# Altium PCB EDA-04211-V4_0_pcb.pcbdoc (part 5 of 12)
Units mm, origin at the board's own origin, x right, y up, seen from the top; angles counter-clockwise.
Board outline 304.8 x 128.5 mm, 14 copper layers (Top Layer, L2, L3GND, L4, L5GND, L6, L7GND, L8, L9GND, L10, L11GND, L12, L13GND, Bottom Layer), stack 4.06 mm thick; 143 components, 1224 nets, 5334 pads, 591 vias.
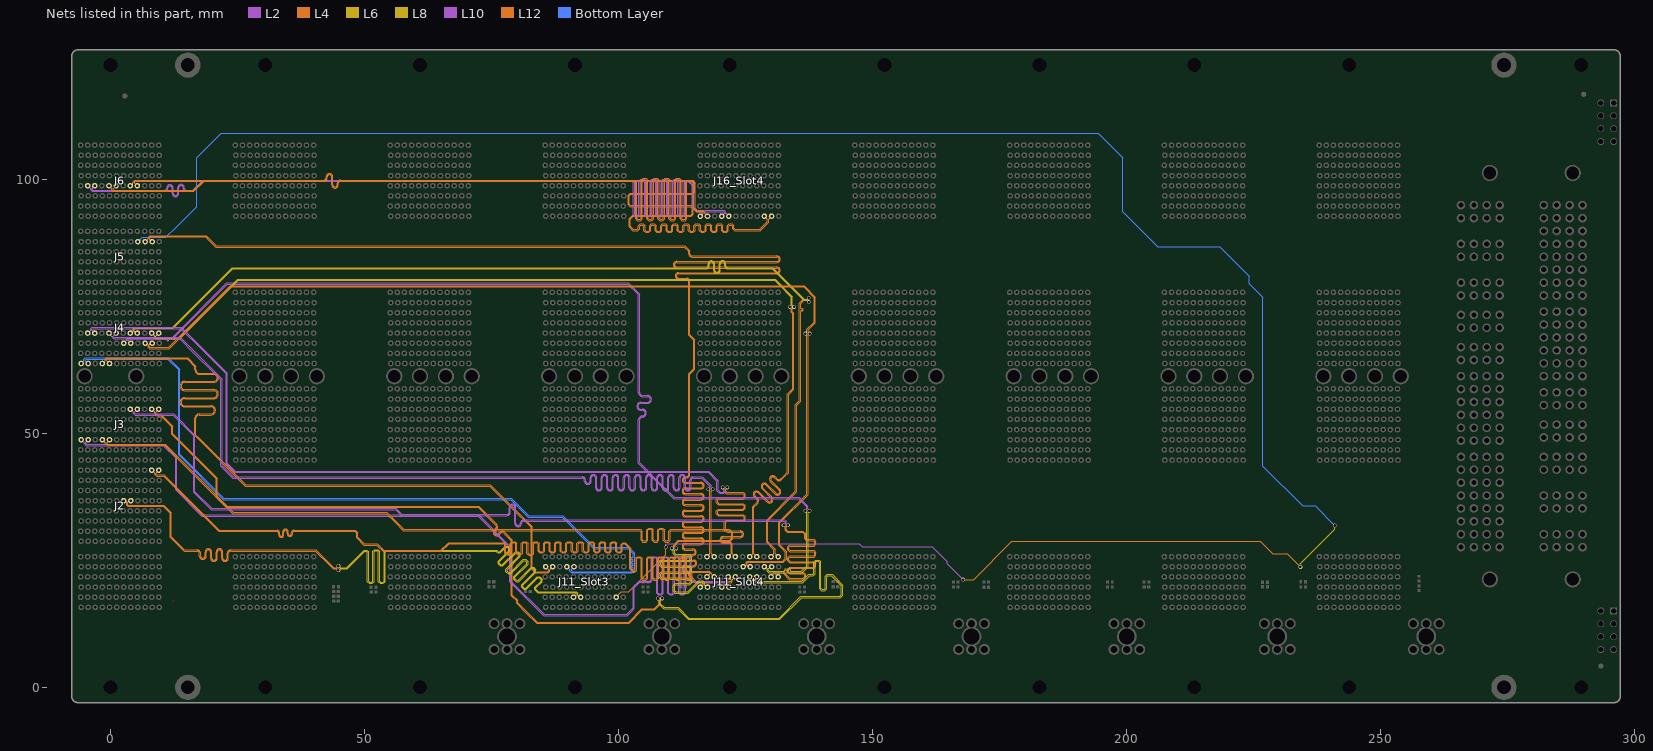
[diagram p17: the nets of this part, all layers, seen from the top]

## Via types
v1: diameter 0.75, hole 0.5, Top Layer to Bottom Layer, tented both sides, 549 vias
v2: diameter 0.85, hole 0.5, Top Layer to Bottom Layer, tented both sides, 32 vias
v3: diameter 1.3, hole 1, Top Layer to Bottom Layer, tented both sides, 10 vias

## Nets (pads, with @x,y where several pads share a name; then routed paths per layer and width w, separated by ;. In a path a pad name is that pad's centre, name@x,y a point inside that pad or via, vN(x,y) a via of type N, cw(c..) or ccw(c..) an arc to the next point about the centre after c; other vN are vias at no path point) (continued)
3_DIFF_15_N: J2.H5 J11_Slot3.F2 | length 171.3
  L12 w0.102: J2.H5@4.02,36.75 3.759,36.75 3.434,36.426 3.434,35.941 3.52,35.855 10.48,35.855 11.974,34.36 11.974,29.687 14.356,27.305 14.6,27.061 17.096,27.061 cw(c17.096,26.4) 17.757,26.4 17.757,25.851 ccw(c18.189,25.851) 18.189,25.419 ccw(c18.189,25.851) 18.621,25.851 18.621,26.615 cw(c19.282,26.615) 19.282,27.276 cw(c19.282,26.615) 19.943,26.615 19.943,25.459 ccw(c20.375,25.459) 20.375,25.027 ccw(c20.375,25.459) 20.807,25.459 20.807,26.615 cw(c21.468,26.615) 21.468,27.276 cw(c21.468,26.615) 22.129,26.615 22.129,25.459 ccw(c22.561,25.459) 22.561,25.027 ccw(c22.561,25.459) 22.993,25.459 22.993,26.4 cw(c23.654,26.4) 23.654,27.061 23.819,27.061 40.451,27.061 43.93,23.582 44.546,23.582 44.858,23.893 v1(44.876,23.893)
  L6 w0.102: v1(44.876,23.893) 44.916,23.893 45.227,23.582 46.548,23.582 47.795,24.829 49.969,27.002 50.464,27.002 50.814,26.652 50.814,20.907 51.03,20.691 51.462,20.691 51.678,20.907 51.678,26.747 52.028,27.097 52.65,27.097 53,26.747 53,20.907 53.216,20.691 53.648,20.691 53.864,20.907 53.864,26.661 54.214,27.011 54.427,27.011 76.028,27.011 76.251,26.788 76.334,26.704 76.64,26.704 77.707,27.771 78.202,27.771 78.641,27.331 78.641,26.836 76.549,24.744 76.549,24.438 76.854,24.133 77.16,24.133 79.747,26.72 80.242,26.72 80.682,26.28 80.682,25.785 78.095,23.198 78.095,22.892 78.4,22.587 78.706,22.587 81.293,25.174 81.788,25.174 82.228,24.735 82.228,24.239 79.64,21.652 79.64,21.347 79.946,21.041 80.251,21.041 82.839,23.628 83.334,23.628 83.773,23.189 83.773,22.694 81.186,20.106 81.186,19.801 81.492,19.495 81.797,19.495 84.061,21.76 84.556,21.76 84.996,21.32 84.996,20.825 83.758,19.586 83.758,19.281 84.168,18.871 84.232,18.807 91.682,18.807 91.974,18.514 91.974,18.074 92.299,17.75 J11_Slot3.F2@92.56,17.75
3_DIFF_15_P: J2.G5 J11_Slot3.E2 | length 171.3
  L12 w0.102: J2.G5@2.62,36.75 2.881,36.75 3.206,36.426 3.206,35.846 3.425,35.626 10.385,35.626 11.745,34.266 11.745,29.592 14.356,26.981 14.505,26.832 17.096,26.832 cw(c17.096,26.4) 17.528,26.4 17.528,25.851 ccw(c18.189,25.851) 18.189,25.19 ccw(c18.189,25.851) 18.85,25.851 18.85,26.615 cw(c19.282,26.615) 19.282,27.047 cw(c19.282,26.615) 19.714,26.615 19.714,25.459 ccw(c20.375,25.459) 20.375,24.798 ccw(c20.375,25.459) 21.036,25.459 21.036,26.615 cw(c21.468,26.615) 21.468,27.047 cw(c21.468,26.615) 21.9,26.615 21.9,25.459 ccw(c22.561,25.459) 22.561,24.798 ccw(c22.561,25.459) 23.222,25.459 23.222,26.4 cw(c23.654,26.4) 23.654,26.832 23.819,26.832 40.356,26.832 41.549,25.639 41.711,25.477 43.835,23.353 44.546,23.353 44.858,23.041 v1(44.876,23.041)
  L6 w0.102: v1(44.876,23.041) 44.916,23.041 45.227,23.353 46.643,23.353 47.795,24.505 50.063,26.773 50.369,26.773 50.585,26.557 50.585,20.812 50.935,20.462 51.557,20.462 51.907,20.812 51.907,26.652 52.123,26.868 52.555,26.868 52.771,26.652 52.771,20.812 53.121,20.462 53.743,20.462 54.093,20.812 54.093,26.566 54.309,26.782 54.427,26.782 75.933,26.782 76.089,26.626 76.24,26.475 76.735,26.475 77.801,27.542 78.107,27.542 78.412,27.236 78.412,26.931 76.32,24.838 76.32,24.343 76.76,23.904 77.255,23.904 79.842,26.491 80.147,26.491 80.453,26.185 80.453,25.88 77.866,23.293 77.866,22.798 78.305,22.358 78.801,22.358 81.388,24.945 81.693,24.945 81.999,24.64 81.999,24.334 79.411,21.747 79.411,21.252 79.851,20.812 80.346,20.812 82.933,23.399 83.239,23.399 83.544,23.094 83.544,22.788 80.957,20.201 80.957,19.706 81.397,19.266 81.892,19.266 84.156,21.531 84.461,21.531 84.767,21.225 84.767,20.92 83.529,19.681 83.529,19.186 84.006,18.709 84.137,18.578 91.587,18.578 91.746,18.419 91.746,18.074 91.421,17.75 J11_Slot3.E2@91.16,17.75
3_MGT_Rx_N: J4.E1 J11_Slot3.B5 | length 152.9
  L12 w0.102: J4.E1@-0.18,63.75 -0.765,64.335 -0.765,64.619 -0.706,64.679 15.082,64.679 16.606,63.155 16.606,62.698 16.606,62.532 ccw(c17.521,62.532) 17.521,61.617 20.352,61.617 cw(c20.352,60.931) 20.352,60.245 14.602,60.245 ccw(c14.602,59.33) 14.602,58.415 20.352,58.415 cw(c20.352,57.729) 20.352,57.043 14.602,57.043 ccw(c14.602,56.128) 14.602,55.213 19.795,55.213 cw(c19.795,54.527) 19.795,53.841 17.521,53.841 ccw(c17.521,52.926) 16.606,52.926 16.606,50.912 16.606,49.572 16.673,49.505 26.544,39.635 74.696,39.635 79.039,35.291 82.798,31.532 82.798,23.385 83.669,22.515 86.17,22.515 86.475,22.819 86.475,23.165 J11_Slot3.B5@87.06,23.75
3_MGT_Rx_P: J4.D1 J11_Slot3.A5 | length 152.9
  L12 w0.102: J4.D1@-1.58,63.75 -0.995,64.335 -0.995,64.714 -0.801,64.908 15.177,64.908 16.835,63.25 16.835,62.698 16.835,62.532 ccw(c17.521,62.532) 17.521,61.846 20.352,61.846 cw(c20.352,60.931) 20.352,60.016 14.602,60.016 ccw(c14.602,59.33) 14.602,58.644 20.352,58.644 cw(c20.352,57.729) 20.352,56.814 14.602,56.814 ccw(c14.602,56.128) 14.602,55.442 19.795,55.442 cw(c19.795,54.527) 19.795,53.612 17.521,53.612 ccw(c17.521,52.926) 16.835,52.926 16.835,50.912 16.835,49.667 17.251,49.252 26.639,39.864 74.791,39.864 79.039,35.615 83.027,31.627 83.027,23.48 83.17,23.337 83.764,22.744 86.075,22.744 86.245,22.914 86.245,23.165 J11_Slot3.A5@85.66,23.75
3_MGT_Tx_N: J4.B1 J11_Slot3.E5 | length 152.9
  Bottom Layer w0.15: J4.B1@-4.38,63.75 -4.954,64.324 -4.954,64.468 -4.805,64.617 11.296,64.617 13.407,62.507 13.407,49.995 13.407,45.78 22.221,36.966 25.928,36.966 75.941,36.966 78.787,36.966 82.237,33.516 88.943,33.516 95.143,27.316 101.95,27.316 102.941,26.325 102.941,26.211 102.941,25.732 cw(c102.739,25.732) 102.739,25.53 102.635,25.53 ccw(c102.635,25.328) 102.433,25.328 ccw(c102.635,25.328) 102.635,25.126 102.739,25.126 cw(c102.739,24.924) 102.941,24.924 cw(c102.739,24.924) 102.739,24.722 102.7,24.722 ccw(c102.7,24.52) 102.498,24.52 ccw(c102.7,24.52) 102.7,24.318 102.739,24.318 cw(c102.739,24.116) 102.941,24.116 cw(c102.739,24.116) 102.739,23.914 ccw(c102.739,23.712) 102.537,23.712 ccw(c102.739,23.712) 102.739,23.51 cw(c102.739,23.308) 102.941,23.308 102.941,23.125 102.616,22.8 102.611,22.794 90.901,22.794 90.686,23.01 90.686,23.176 J11_Slot3.E5@91.26,23.75
3_MGT_Tx_P: J4.A1 J11_Slot3.D5 | length 152.9
  Bottom Layer w0.15: J4.A1@-5.78,63.75 -5.206,64.324 -5.206,64.572 -4.909,64.869 11.401,64.869 13.659,62.611 13.659,50.099 13.659,45.884 22.325,37.218 75.941,37.218 78.891,37.218 82.342,33.767 89.047,33.767 95.247,27.567 102.054,27.567 103.192,26.429 103.192,23.02 102.715,22.543 90.797,22.543 90.434,22.906 90.434,23.176 J11_Slot3.D5@89.86,23.75
3_SERVMOD: J5.I5 J11_Slot3.K2 | length 468.1
  L8 w0.102: v1(234.259,23.709) 234.259,24.344 241.015,31.1 v1(241.015,31.862)
  L10 w0.102: v1(109.367,27.57) 109.367,28.179 109.494,28.306 147.413,28.306 148.026,27.694 161.745,27.694 164.756,24.682 164.756,24.354 v1(167.892,21.218)
  L12 w0.102: J11_Slot3.K2@99.56,17.75 100.588,18.778 102.049,18.778 109.367,26.096 v1(109.367,27.57) ; v1(167.892,21.218) 169.947,21.218 177.464,28.735 226.385,28.735 228.82,26.3 231.668,26.3 v1(234.259,23.709)
  Bottom Layer w0.102: J5.I5@5.42,87.75 6.248,88.578 10.939,88.578 13.114,90.752 ; 13.115,90.751 17.02,94.656 17.02,104.25 21.82,109.05 194.459,109.05 199.253,104.256 199.253,93.624 206.127,86.75 217.763,86.75 218.35,86.75 224.153,80.947 224.153,79.417 226.815,76.755 226.815,43.573 234.665,35.723 237.154,35.723 v1(241.015,31.862)
4_CLK_N: J5.K5 J11_Slot4.F4 | length 318
  L12 w0.102: J5.K5@8.22,87.75 7.635,88.335 7.635,88.432 7.856,88.654 18.768,88.654 19.197,88.225 20.746,86.675 112.999,86.675 113.837,85.837 113.837,85.532 113.837,85.367 ccw(c114.498,85.367) 114.498,84.706 131.208,84.706 cw(c131.208,84.274) 131.64,84.274 cw(c131.208,84.274) 131.208,83.842 111.467,83.842 ccw(c111.467,83.181) 110.806,83.181 ccw(c111.467,83.181) 111.467,82.52 131.208,82.52 cw(c131.208,82.088) 131.64,82.088 cw(c131.208,82.088) 131.208,81.656 111.854,81.656 ccw(c111.854,80.995) 111.193,80.995 ccw(c111.854,80.995) 111.854,80.334 113.405,80.334 cw(c113.405,79.902) 113.837,79.902 113.837,78.217 113.837,69.283 114.82,68.3 114.82,62.674 113.837,61.691 113.837,43.394 113.837,41.897 cw(c113.405,41.897) 113.405,41.465 113.238,41.465 ccw(c113.238,40.804) 112.577,40.804 ccw(c113.238,40.804) 113.238,40.143 116.225,40.143 cw(c116.225,39.711) 116.657,39.711 cw(c116.225,39.711) 116.225,39.279 113.179,39.279 ccw(c113.179,38.618) 112.518,38.618 ccw(c113.179,38.618) 113.179,37.957 116.225,37.957 cw(c116.225,37.525) 116.657,37.525 cw(c116.225,37.525) 116.225,37.093 113.179,37.093 ccw(c113.179,36.432) 112.518,36.432 ccw(c113.179,36.432) 113.179,35.771 116.225,35.771 cw(c116.225,35.339) 116.657,35.339 cw(c116.225,35.339) 116.225,34.907 113.179,34.907 ccw(c113.179,34.246) 112.518,34.246 ccw(c113.179,34.246) 113.179,33.585 116.225,33.585 cw(c116.225,33.153) 116.657,33.153 cw(c116.225,33.153) 116.225,32.721 113.179,32.721 ccw(c113.179,32.06) 112.518,32.06 ccw(c113.179,32.06) 113.179,31.399 116.225,31.399 cw(c116.225,30.967) 116.657,30.967 cw(c116.225,30.967) 116.225,30.535 113.179,30.535 ccw(c113.179,29.874) 112.518,29.874 ccw(c113.179,29.874) 113.179,29.213 116.225,29.213 cw(c116.225,28.781) 116.657,28.781 cw(c116.225,28.781) 116.225,28.349 113.179,28.349 ccw(c113.179,27.688) 112.518,27.688 ccw(c113.179,27.688) 113.179,27.027 114.676,27.027 cw(c114.676,26.595) 115.108,26.595 cw(c114.676,26.595) 114.676,26.163 113.179,26.163 ccw(c113.179,25.502) 112.518,25.502 ccw(c113.179,25.502) 113.179,24.841 114.776,24.841 cw(c114.776,24.409) 115.208,24.409 cw(c114.776,24.409) 114.776,23.977 113.179,23.977 ccw(c113.179,23.316) 112.518,23.316 ccw(c113.179,23.316) 113.179,22.655 113.405,22.655 cw(c113.405,22.223) 113.837,22.223 113.837,22.058 113.837,21.963 115.167,20.633 122.182,20.633 122.454,20.906 122.454,21.164 J11_Slot4.F4@123.04,21.75
4_CLK_P: J5.J5 J11_Slot4.E4 | length 318
  L12 w0.102: J5.J5@6.82,87.75 7.405,88.336 7.405,88.527 7.762,88.883 18.862,88.883 19.521,88.225 20.841,86.904 113.094,86.904 114.066,85.932 114.066,85.532 114.066,85.367 ccw(c114.498,85.367) 114.498,84.935 131.208,84.935 cw(c131.208,84.274) 131.869,84.274 cw(c131.208,84.274) 131.208,83.613 111.467,83.613 ccw(c111.467,83.181) 111.035,83.181 ccw(c111.467,83.181) 111.467,82.749 131.208,82.749 cw(c131.208,82.088) 131.869,82.088 cw(c131.208,82.088) 131.208,81.427 111.854,81.427 ccw(c111.854,80.995) 111.422,80.995 ccw(c111.854,80.995) 111.854,80.563 113.405,80.563 cw(c113.405,79.902) 114.066,79.902 114.066,78.217 114.066,69.378 115.049,68.395 115.049,62.579 114.066,61.596 114.066,43.394 114.066,41.897 cw(c113.405,41.897) 113.405,41.236 113.238,41.236 ccw(c113.238,40.804) 112.806,40.804 ccw(c113.238,40.804) 113.238,40.372 116.225,40.372 cw(c116.225,39.711) 116.886,39.711 cw(c116.225,39.711) 116.225,39.05 113.179,39.05 ccw(c113.179,38.618) 112.747,38.618 ccw(c113.179,38.618) 113.179,38.186 116.225,38.186 cw(c116.225,37.525) 116.886,37.525 cw(c116.225,37.525) 116.225,36.864 113.179,36.864 ccw(c113.179,36.432) 112.747,36.432 ccw(c113.179,36.432) 113.179,36 116.225,36 cw(c116.225,35.339) 116.886,35.339 cw(c116.225,35.339) 116.225,34.678 113.179,34.678 ccw(c113.179,34.246) 112.747,34.246 ccw(c113.179,34.246) 113.179,33.814 116.225,33.814 cw(c116.225,33.153) 116.886,33.153 cw(c116.225,33.153) 116.225,32.492 113.179,32.492 ccw(c113.179,32.06) 112.747,32.06 ccw(c113.179,32.06) 113.179,31.628 116.225,31.628 cw(c116.225,30.967) 116.886,30.967 cw(c116.225,30.967) 116.225,30.306 113.179,30.306 ccw(c113.179,29.874) 112.747,29.874 ccw(c113.179,29.874) 113.179,29.442 116.225,29.442 cw(c116.225,28.781) 116.886,28.781 cw(c116.225,28.781) 116.225,28.12 113.179,28.12 ccw(c113.179,27.688) 112.747,27.688 ccw(c113.179,27.688) 113.179,27.256 114.676,27.256 cw(c114.676,26.595) 115.337,26.595 cw(c114.676,26.595) 114.676,25.934 113.179,25.934 ccw(c113.179,25.502) 112.747,25.502 ccw(c113.179,25.502) 113.179,25.07 114.776,25.07 cw(c114.776,24.409) 115.437,24.409 cw(c114.776,24.409) 114.776,23.748 113.179,23.748 ccw(c113.179,23.316) 112.747,23.316 ccw(c113.179,23.316) 113.179,22.884 113.405,22.884 cw(c113.405,22.223) 114.066,22.223 114.066,22.058 115.262,20.862 122.087,20.862 122.226,21.001 122.226,21.164 J11_Slot4.E4@121.64,21.75
4_DIFF_0_N: J3.B3 J11_Slot4.E3 | length 205.6
  L10 w0.102: J3.B3@-4.38,48.75 -4.965,48.165 -4.965,48.107 -4.682,47.824 7.284,47.824 10.519,47.823 13.05,45.292 13.05,42.032 13.05,39 15.514,36.536 18.096,33.954 72.477,33.954 78.263,28.168 78.39,28.041 78.829,27.602 78.829,20.891 85.374,14.346 101.623,14.346 102.911,15.634 102.911,19.745 103.055,19.889 104.091,20.925 106.107,20.925 106.226,20.925 106.442,21.141 106.442,25.38 106.792,25.73 107.413,25.73 107.764,25.38 107.764,18.665 107.98,18.449 108.412,18.449 108.628,18.665 108.628,25.38 108.978,25.73 109.599,25.73 109.95,25.38 109.95,18.665 110.166,18.449 110.598,18.449 110.814,18.665 110.814,25.38 111.164,25.73 111.785,25.73 112.136,25.38 112.136,18.665 112.352,18.449 112.784,18.449 113,18.665 113,25.38 113.35,25.73 113.971,25.73 114.322,25.38 114.322,21.141 114.537,20.925 114.9,20.925 120.743,20.925 121.154,20.513 121.154,20.335 J11_Slot4.E3@121.74,19.75
4_DIFF_0_P: J3.A3 J11_Slot4.D3 | length 205.6
  L10 w0.102: J3.A3@-5.78,48.75 -5.195,48.165 -5.195,48.012 -4.777,47.594 10.424,47.594 12.821,45.198 12.821,42.126 12.821,38.905 15.19,36.536 15.352,36.374 18.001,33.725 72.382,33.725 78.034,28.073 78.228,27.879 78.6,27.507 78.6,20.796 85.279,14.117 101.718,14.117 102.71,15.11 103.14,15.539 103.14,19.65 104.186,20.696 104.838,20.696 106.107,20.696 106.32,20.696 106.671,21.046 106.671,25.285 106.887,25.501 107.319,25.501 107.535,25.285 107.535,18.571 107.885,18.22 108.506,18.22 108.857,18.571 108.857,25.285 109.073,25.501 109.505,25.501 109.721,25.285 109.721,18.571 110.071,18.22 110.692,18.22 111.043,18.571 111.043,25.285 111.259,25.501 111.691,25.501 111.907,25.285 111.907,18.571 112.257,18.22 112.878,18.22 113.229,18.571 113.229,25.285 113.445,25.501 113.877,25.501 114.092,25.285 114.092,21.046 114.443,20.696 114.9,20.696 120.648,20.696 120.926,20.418 120.926,20.335 J11_Slot4.D3@120.34,19.75
4_DIFF_1_N: J3.E3 J11_Slot4.B3 | length 203.4
  L4 w0.102: J3.E3@-0.18,48.75 -0.766,48.165 -0.766,48.072 -0.542,47.849 9.545,47.849 10.799,47.849 24.194,34.453 54.417,34.453 56.174,32.696 57.769,31.101 103.836,31.101 104.359,31.101 104.709,30.75 104.709,29.051 104.925,28.835 105.357,28.835 105.573,29.051 105.573,31.007 105.923,31.358 106.545,31.358 106.895,31.007 106.895,29.051 107.111,28.835 107.543,28.835 107.759,29.051 107.759,31.007 108.109,31.358 108.731,31.358 109.081,31.007 109.081,29.051 109.297,28.835 109.729,28.835 109.945,29.051 109.945,30.75 110.295,31.101 110.508,31.101 121.813,31.101 122.5,30.414 122.5,29.227 121.994,28.721 111.888,28.721 111.078,27.911 111.078,27.692 111.39,27.38 v1(111.39,27.341)
  L8 w0.12: v1(111.39,27.341) 111.39,27.247 111.099,26.956 111.099,26.567 111.099,26.428 111.319,26.208 114.022,26.208 114.401,25.829 114.401,25.165 114.022,24.786 108.552,24.786 108.331,24.566 108.331,24.125 108.552,23.904 114.022,23.904 114.401,23.526 114.401,22.861 114.022,22.482 108.552,22.482 108.331,22.262 108.331,21.821 108.552,21.6 114.022,21.6 114.401,21.222 114.401,20.557 114.022,20.179 111.319,20.179 111.099,19.958 111.099,19.65 111.099,19.04 111.325,18.813 113.654,18.813 115.806,20.965 116.556,20.965 116.975,20.546 116.975,20.118 117.343,19.75 J11_Slot4.B3@117.54,19.75
4_DIFF_1_P: J3.D3 J11_Slot4.A3 | length 203.4
  L4 w0.102: J3.D3@-1.58,48.75 -0.994,48.165 -0.994,47.977 -0.637,47.62 10.704,47.62 11.348,46.975 11.51,46.813 24.1,34.224 54.322,34.224 55.945,32.601 57.675,30.872 103.836,30.872 104.264,30.872 104.48,30.656 104.48,28.956 104.83,28.606 105.452,28.606 105.802,28.956 105.802,30.913 106.018,31.129 106.45,31.129 106.666,30.913 106.666,28.956 107.016,28.606 107.638,28.606 107.988,28.956 107.988,30.913 108.204,31.129 108.636,31.129 108.852,30.913 108.852,28.956 109.202,28.606 109.824,28.606 110.174,28.956 110.174,30.656 110.39,30.872 110.508,30.872 121.718,30.872 122.271,30.319 122.271,29.322 121.899,28.95 111.793,28.95 110.849,28.006 110.849,27.692 110.538,27.38 v1(110.538,27.341)
  L8 w0.12: v1(110.538,27.341) 110.538,27.247 110.829,26.956 110.829,26.567 110.829,26.316 111.207,25.938 113.91,25.938 114.131,25.717 114.131,25.276 113.91,25.056 108.44,25.056 108.061,24.677 108.061,24.013 108.44,23.634 113.91,23.634 114.131,23.414 114.131,22.973 113.91,22.752 108.44,22.752 108.061,22.374 108.061,21.709 108.44,21.331 113.91,21.331 114.131,21.11 114.131,20.669 113.91,20.449 111.207,20.449 110.829,20.07 110.829,19.65 110.829,18.928 111.213,18.543 113.766,18.543 115.918,20.695 116.445,20.695 116.705,20.435 116.705,20.118 116.337,19.75 J11_Slot4.A3@116.14,19.75
4_DIFF_2_N: J2.L8 J11_Slot4.C4 | length 205.5
  L4 w0.102: J2.L8@9.52,42.75 8.935,42.165 8.935,42.081 9.186,41.829 10.551,41.829 10.828,41.552 21.458,30.922 31.793,30.922 32.797,30.922 cw(c32.797,30.388) 33.331,30.388 33.331,30.056 ccw(c33.636,30.056) 33.636,29.751 ccw(c33.636,30.056) 33.941,30.056 33.941,30.632 cw(c34.475,30.632) 34.475,31.166 cw(c34.475,30.632) 35.009,30.632 35.009,30.254 ccw(c35.314,30.254) 35.314,29.949 ccw(c35.314,30.254) 35.619,30.254 35.619,30.388 cw(c36.153,30.388) 36.153,30.922 39.378,30.922 48.229,30.922 48.687,30.465 48.687,29.519 49.955,28.25 52.564,28.25 53.828,26.985 65.044,26.985 66.568,28.509 76.155,28.509 77.499,28.509 77.849,28.159 77.849,26.524 78.065,26.308 78.497,26.308 78.713,26.524 78.713,28.322 79.063,28.672 79.685,28.672 80.035,28.322 80.035,26.524 80.251,26.308 80.683,26.308 80.899,26.524 80.899,28.322 81.249,28.672 81.871,28.672 82.221,28.322 82.221,26.439 82.437,26.223 82.869,26.223 83.085,26.439 83.085,28.322 83.435,28.672 84.057,28.672 84.407,28.322 84.407,26.898 84.623,26.682 85.055,26.682 85.271,26.898 85.271,28.322 85.621,28.672 86.243,28.672 86.593,28.322 86.593,26.898 86.809,26.682 87.241,26.682 87.457,26.898 87.457,28.322 87.807,28.672 88.429,28.672 88.779,28.322 88.779,26.898 88.995,26.682 89.427,26.682 89.643,26.898 89.643,28.322 89.993,28.672 90.615,28.672 90.965,28.322 90.965,26.898 91.181,26.682 91.613,26.682 91.829,26.898 91.829,28.322 92.179,28.672 92.801,28.672 93.151,28.322 93.151,26.898 93.367,26.682 93.799,26.682 94.015,26.898 94.015,28.322 94.365,28.672 94.987,28.672 95.337,28.322 95.337,26.898 95.553,26.682 95.985,26.682 96.201,26.898 96.201,28.322 96.551,28.672 97.173,28.672 97.523,28.322 97.523,26.898 97.739,26.682 98.171,26.682 98.387,26.898 98.387,28.322 98.737,28.672 99.359,28.672 99.709,28.322 99.709,26.898 99.925,26.682 100.357,26.682 100.573,26.898 100.573,28.159 100.923,28.509 101.136,28.509 101.36,28.509 102.458,27.411 102.458,23.432 103.022,22.868 103.025,22.864 103.14,22.864 103.356,23.08 103.356,25.371 103.706,25.721 104.328,25.721 104.678,25.371 104.678,21.561 104.894,21.345 105.326,21.345 105.542,21.561 105.542,25.371 105.892,25.721 106.514,25.721 106.864,25.371 106.864,21.561 107.08,21.345 107.512,21.345 107.728,21.561 107.728,25.371 108.078,25.721 108.7,25.721 109.05,25.371 109.05,21.561 109.266,21.345 109.698,21.345 109.914,21.561 109.914,25.371 110.264,25.721 110.886,25.721 111.236,25.371 111.236,21.561 111.452,21.345 111.884,21.345 112.1,21.561 112.1,25.371 112.45,25.721 113.072,25.721 113.422,25.371 113.422,21.561 113.638,21.345 114.07,21.345 114.286,21.561 114.286,22.514 114.636,22.864 114.81,22.864 115.023,22.865 115.39,22.865 117.887,22.864 118.255,22.497 118.255,22.336 J11_Slot4.C4@118.84,21.75
4_DIFF_2_P: J2.K8 J11_Slot4.B4 | length 205.5
  L4 w0.102: J2.K8@8.12,42.75 8.705,42.165 8.705,41.986 9.091,41.6 10.456,41.6 21.363,30.693 31.793,30.693 32.797,30.693 cw(c32.797,30.388) 33.102,30.388 33.102,30.056 ccw(c33.636,30.056) 33.636,29.522 ccw(c33.636,30.056) 34.17,30.056 34.17,30.632 cw(c34.475,30.632) 34.475,30.937 cw(c34.475,30.632) 34.78,30.632 34.78,30.254 ccw(c35.314,30.254) 35.314,29.72 ccw(c35.314,30.254) 35.848,30.254 35.848,30.388 cw(c36.153,30.388) 36.153,30.693 39.378,30.693 48.134,30.693 48.458,30.37 48.458,29.424 49.861,28.021 52.469,28.021 53.734,26.756 65.139,26.756 66.663,28.28 76.155,28.28 77.404,28.28 77.62,28.064 77.62,26.429 77.97,26.079 78.592,26.079 78.942,26.429 78.942,28.227 79.158,28.443 79.59,28.443 79.806,28.227 79.806,26.429 80.156,26.079 80.778,26.079 81.128,26.429 81.128,28.227 81.344,28.443 81.776,28.443 81.992,28.227 81.992,26.345 82.342,25.994 82.964,25.994 83.314,26.345 83.314,28.227 83.53,28.443 83.962,28.443 84.178,28.227 84.178,26.803 84.528,26.453 85.15,26.453 85.5,26.803 85.5,28.227 85.716,28.443 86.148,28.443 86.364,28.227 86.364,26.803 86.714,26.453 87.336,26.453 87.686,26.803 87.686,28.227 87.902,28.443 88.334,28.443 88.55,28.227 88.55,26.803 88.9,26.453 89.522,26.453 89.872,26.803 89.872,28.227 90.088,28.443 90.52,28.443 90.736,28.227 90.736,26.803 91.086,26.453 91.708,26.453 92.058,26.803 92.058,28.227 92.274,28.443 92.706,28.443 92.922,28.227 92.922,26.803 93.272,26.453 93.894,26.453 94.244,26.803 94.244,28.227 94.46,28.443 94.892,28.443 95.108,28.227 95.108,26.803 95.458,26.453 96.08,26.453 96.43,26.803 96.43,28.227 96.646,28.443 97.078,28.443 97.294,28.227 97.294,26.803 97.644,26.453 98.266,26.453 98.616,26.803 98.616,28.227 98.832,28.443 99.264,28.443 99.48,28.227 99.48,26.803 99.83,26.453 100.452,26.453 100.802,26.803 100.802,28.064 101.018,28.28 101.136,28.28 101.265,28.28 102.229,27.316 102.229,23.337 102.931,22.635 103.022,22.635 103.235,22.635 103.585,22.986 103.585,25.276 103.801,25.492 104.233,25.492 104.449,25.276 104.449,21.466 104.799,21.116 105.421,21.116 105.771,21.466 105.771,25.276 105.987,25.492 106.419,25.492 106.635,25.276 106.635,21.466 106.985,21.116 107.607,21.116 107.957,21.466 107.957,25.276 108.173,25.492 108.605,25.492 108.821,25.276 108.821,21.466 109.171,21.116 109.793,21.116 110.143,21.466 110.143,25.276 110.359,25.492 110.791,25.492 111.007,25.276 111.007,21.466 111.357,21.116 111.979,21.116 112.329,21.466 112.329,25.276 112.545,25.492 112.977,25.492 113.193,25.276 113.193,21.466 113.543,21.116 114.165,21.116 114.515,21.466 114.515,22.42 114.731,22.636 114.81,22.636 115.023,22.635 117.793,22.635 118.017,22.411 118.017,22.327 J11_Slot4.B4@117.44,21.75
4_DIFF_3_N: J3.I6 J11_Slot4.L4 | length 202.1
  L2 w0.102: J3.I6@5.32,54.75 4.734,54.164 4.734,54.053 4.944,53.843 9.418,53.843 12.424,53.843 16.632,49.636 16.632,38.536 19.936,35.231 56.214,35.231 57.389,34.056 77.161,34.056 78.08,34.056 ccw(c78.08,34.488) 78.512,34.488 78.512,35.41 cw(c79.173,35.41) 79.173,36.071 cw(c79.173,35.41) 79.834,35.41 79.834,32.276 ccw(c80.266,32.276) 80.266,31.844 ccw(c80.266,32.276) 80.698,32.276 80.698,32.31 cw(c81.359,32.31) 81.359,32.971 81.525,32.971 132.789,32.971 132.893,32.866 133.036,32.723 133.036,32.253 133.36,31.929 v1(133.36,31.915)
  L12 w0.102: J11_Slot4.L4@131.44,21.75 130.855,22.335 130.855,22.451 131.004,22.601 132.147,22.601 132.232,22.601 132.405,22.428 133.612,21.221 136.435,21.221 136.869,21.655 136.869,22.018 136.869,22.23 136.519,22.581 133.783,22.581 133.567,22.797 133.567,23.229 133.783,23.445 138.532,23.445 138.882,23.795 138.882,24.416 138.532,24.767 133.79,24.767 133.574,24.983 133.574,25.415 133.79,25.631 138.532,25.631 138.882,25.981 138.882,26.602 138.532,26.953 133.783,26.953 133.567,27.169 133.567,27.601 133.783,27.817 138.532,27.817 138.882,28.167 138.882,28.788 138.532,29.139 137.085,29.139 136.869,29.355 136.869,29.711 136.869,30.245 136.335,30.779 133.315,30.779 133.036,31.057 133.036,31.576 133.36,31.9 v1(133.36,31.915)
4_DIFF_3_P: J3.H6 J11_Slot4.K4 | length 202.1
  L2 w0.102: J3.H6@3.92,54.75 4.506,54.164 4.506,53.958 4.849,53.614 12.329,53.614 16.403,49.541 16.403,38.441 19.842,35.002 56.119,35.002 56.281,34.84 57.294,33.827 77.161,33.827 78.08,33.827 ccw(c78.08,34.488) 78.741,34.488 78.741,35.41 cw(c79.173,35.41) 79.173,35.842 cw(c79.173,35.41) 79.605,35.41 79.605,32.276 ccw(c80.266,32.276) 80.266,31.615 ccw(c80.266,32.276) 80.927,32.276 80.927,32.31 cw(c81.359,32.31) 81.359,32.742 81.525,32.742 132.694,32.742 132.807,32.628 132.807,32.253 132.483,31.929 v1@132.483,31.915
  L12 w0.102: J11_Slot4.K4@130.04,21.75 130.625,22.336 130.625,22.546 130.91,22.83 132.327,22.83 132.634,22.523 133.707,21.45 136.34,21.45 136.64,21.75 136.64,22.018 136.64,22.136 136.424,22.352 133.688,22.352 133.338,22.702 133.338,23.323 133.688,23.674 138.437,23.674 138.653,23.89 138.653,24.322 138.437,24.538 133.696,24.538 133.345,24.888 133.345,25.509 133.696,25.86 138.437,25.86 138.653,26.076 138.653,26.508 138.437,26.724 133.688,26.724 133.338,27.074 133.338,27.695 133.688,28.046 138.437,28.046 138.653,28.262 138.653,28.694 138.437,28.91 136.99,28.91 136.64,29.26 136.64,29.711 136.64,30.15 136.24,30.55 133.22,30.55 132.807,30.963 132.807,31.576 132.483,31.9 v1@132.483,31.915
  other v1: 132.509,31.899
4_DIFF_4_N: J3.L6 J11_Slot4.I4 | length 204.8
  L8 w0.12: v1@107.709,17.511 107.709,17.433 108.013,17.129 108.013,16.35 108.909,15.454 111.703,15.454 113.776,13.381 131.751,13.381 136.05,17.68 139.048,17.68 139.055,17.687 140.793,17.687 140.8,17.68 143.65,17.68 144.131,18.162 144.131,20.146 142.057,22.22 141.379,22.22 141.129,22.22 140.75,21.841 140.75,19.546 140.53,19.326 140.089,19.326 139.868,19.546 139.868,24.685 139.49,25.064 138.825,25.064 138.446,24.685 138.446,22.44 138.226,22.22 137.959,22.22 137.51,22.22 136.13,20.84 129.663,20.84 129.615,20.888 126.767,20.888 126.675,20.98 126.675,21.382 127.043,21.75 J11_Slot4.I4@127.24,21.75
  L12 w0.102: J3.L6@9.52,54.75 8.935,54.165 8.935,53.993 9.246,53.682 10.006,53.682 12.302,51.386 12.302,49.899 21.041,41.159 21.041,37.486 22.88,35.647 72.486,35.647 75.037,33.096 76.042,32.091 ; 76.043,32.09 76.075,32.058 76.075,32.055 cw(c75.575,31.624) 76.042,31.156 75.722,30.836 ccw(c76.027,30.531) 75.722,30.225 ccw(c76.027,30.531) 76.333,30.225 76.653,30.545 cw(c77.12,30.078) 77.588,30.545 77.705,30.428 79.141,28.992 79.141,23.467 79.141,18.171 80.208,17.104 80.208,16.644 81.804,15.047 84.037,12.815 101.993,12.815 104.643,15.465 107.082,15.465 108.033,16.416 108.033,17.187 v1@107.709,17.511
  other v1: 107.734,17.496
4_DIFF_4_P: J3.K6 J11_Slot4.H4 | length 204.6
  L8 w0.12: v1(108.586,17.511) 108.586,17.433 108.283,17.129 108.283,16.462 109.021,15.724 111.815,15.724 113.888,13.65 131.639,13.65 135.938,17.95 138.936,17.95 138.943,17.957 140.905,17.957 140.912,17.95 143.538,17.95 143.861,18.273 143.861,20.034 141.946,21.95 141.379,21.95 141.24,21.95 141.02,21.73 141.02,19.434 140.641,19.056 139.977,19.056 139.598,19.434 139.598,24.573 139.378,24.794 138.937,24.794 138.716,24.573 138.716,22.329 138.338,21.95 137.959,21.95 137.622,21.95 136.242,20.57 129.551,20.57 129.504,20.618 126.655,20.618 126.405,20.868 126.405,21.382 126.037,21.75 J11_Slot4.H4@125.84,21.75
  L12 w0.102: J3.K6@8.12,54.75 8.706,54.164 8.706,53.898 9.151,53.453 9.911,53.453 12.073,51.292 12.073,49.804 20.812,41.064 20.812,37.391 22.785,35.418 72.391,35.418 74.875,32.934 75.879,31.93 ; 75.88,31.93 cw(c75.575,31.624) 75.88,31.318 75.56,30.998 ccw(c76.027,30.531) 75.56,30.063 ccw(c76.027,30.531) 76.495,30.063 76.815,30.383 cw(c77.12,30.078) 77.426,30.383 77.543,30.266 78.912,28.897 78.912,23.562 78.912,18.076 79.979,17.01 79.979,16.549 81.71,14.818 83.943,12.585 102.087,12.585 104.737,15.235 107.177,15.235 108.262,16.321 108.262,17.187 v1(108.586,17.511)
4_DIFF_5_N: J4.H3 J11_Slot4.K5 | length 205.1
  L8 w0.12: J11_Slot4.K5@130.14,23.75 129.943,23.75 129.535,23.342 129.535,23.007 129.696,22.845 132.163,22.845 132.524,22.845 ccw(c132.524,23.032) 132.71,23.052 cw(c132.896,23.072) 132.877,23.257 cw(c132.896,23.072) 133.082,23.091 133.089,23.031 ccw(c133.275,23.051) 133.294,22.865 ccw(c133.275,23.051) 133.461,23.07 133.451,23.157 cw(c133.637,23.177) 133.618,23.363 cw(c133.637,23.177) 133.823,23.196 133.843,23.013 ccw(c134.029,23.032) 134.029,22.845 134.579,22.845 136.037,22.845 137.057,23.865 137.057,34.398 136.766,34.689 v1(136.766,34.783)
  L10 w0.102: J4.H3@4.02,67.75 3.434,68.335 3.434,68.462 3.598,68.626 10.129,68.626 10.52,68.626 10.927,68.626 cw(c10.927,68.448) 11.105,68.448 ccw(c11.283,68.448) 11.283,68.27 ccw(c11.283,68.448) 11.461,68.448 cw(c11.639,68.448) 11.639,68.626 12.033,68.626 12.273,68.626 23.032,79.386 101.884,79.386 103.933,77.337 103.933,58.197 103.933,58.031 ccw(c104.721,58.031) 104.721,57.243 105.733,57.243 cw(c105.733,56.684) 106.292,56.684 cw(c105.733,56.684) 105.733,56.125 104.405,56.125 ccw(c104.405,55.337) 103.617,55.337 ccw(c104.405,55.337) 104.405,54.549 104.721,54.549 cw(c104.721,53.99) 105.28,53.99 cw(c104.721,53.99) 104.721,53.431 ccw(c104.721,52.643) 103.933,52.643 103.933,47.459 103.933,44.113 109.058,38.988 110.896,37.15 135.52,37.15 136.52,36.15 137.077,35.593 137.077,35.134 136.766,34.822 v1(136.766,34.783)
4_DIFF_5_P: J4.G3 J11_Slot4.J5 | length 205.1
  L8 w0.12: J11_Slot4.J5@128.74,23.75 128.857,23.75 129.265,23.342 129.265,22.895 129.584,22.575 136.149,22.575 137.326,23.753 137.326,34.398 137.618,34.689 v1(137.618,34.783)
  L10 w0.102: J4.G3@2.62,67.75 3.206,68.335 3.206,68.557 3.503,68.855 12.178,68.855 22.938,79.615 101.979,79.615 104.162,77.432 104.162,58.197 104.162,58.031 ccw(c104.721,58.031) 104.721,57.472 105.733,57.472 cw(c105.733,56.684) 106.521,56.684 cw(c105.733,56.684) 105.733,55.896 104.405,55.896 ccw(c104.405,55.337) 103.846,55.337 ccw(c104.405,55.337) 104.405,54.778 104.721,54.778 cw(c104.721,53.99) 105.509,53.99 cw(c104.721,53.99) 104.721,53.202 ccw(c104.721,52.643) 104.162,52.643 104.162,47.459 104.162,44.208 109.058,39.312 109.22,39.15 110.991,37.379 135.615,37.379 136.52,36.474 137.306,35.688 137.306,35.134 137.618,34.822 v1(137.618,34.783)
4_DIFF_6_N: J4.K3 J11_Slot4.H5 | length 202.7
  L4 w0.102: J4.K3@8.22,67.75 7.959,67.75 7.634,67.426 7.634,67.043 7.672,67.005 7.763,66.914 11.492,66.914 23.618,79.041 136.577,79.041 138.781,76.837 138.781,71.787 137.349,70.355 137.349,70.001 137.66,69.689 v1(137.66,69.65)
  L12 w0.102: J11_Slot4.H5@125.94,23.75 125.679,23.75 125.355,24.074 125.355,24.495 125.483,24.623 132.449,24.623 133.116,25.29 133.116,26.725 132.338,27.503 131.762,28.079 131.762,32.362 137.349,37.949 137.349,69.35 137.649,69.65 v1(137.66,69.65)
4_DIFF_6_P: J4.J3 J11_Slot4.G5 | length 202.7
  L4 w0.102: J4.J3@6.82,67.75 7.081,67.75 7.405,67.426 7.405,66.948 7.51,66.844 7.668,66.685 11.587,66.685 23.713,78.812 136.482,78.812 138.552,76.742 138.552,71.882 137.12,70.45 137.12,70.001 136.808,69.689 v1(136.808,69.65)
  L12 w0.102: J11_Slot4.G5@124.54,23.75 124.801,23.75 125.126,24.074 125.126,24.59 125.388,24.852 132.354,24.852 132.887,25.385 132.887,26.63 132.176,27.341 132.014,27.503 131.533,27.985 131.533,32.457 137.12,38.044 137.12,69.35 136.82,69.65 v1(136.808,69.65)
4_DIFF_7_N: J4.C4 J11_Slot4.F6 | length 202.1
  L2 w0.102: J4.C4@-3.08,69.75 -3.665,70.336 -3.665,70.472 -3.514,70.623 11.25,70.623 13.894,70.623 17.613,66.905 22.774,61.743 22.774,44.059 24.512,42.321 117.679,42.321 119.4,40.6 119.4,38.727 119.915,38.212 120.739,38.212 121.095,38.567 121.095,39.004 121.407,39.316 v1(121.407,39.355)
  L12 w0.102: v1(121.407,39.355) 121.407,39.316 121.095,39.004 121.095,38.713 121.095,38.595 121.311,38.379 124.614,38.379 124.964,38.029 124.964,37.407 124.614,37.057 119.723,37.057 119.507,36.841 119.507,36.409 119.723,36.193 124.614,36.193 124.964,35.843 124.964,35.221 124.614,34.871 119.723,34.871 119.507,34.655 119.507,34.223 119.723,34.007 124.614,34.007 124.964,33.657 124.964,33.035 124.614,32.685 121.311,32.685 121.095,32.469 121.095,32.17 121.095,31.119 121.095,31.037 121.098,31.034 ccw(c121.675,31.614) 121.101,31.031 ccw(c121.676,31.614) 121.676,30.795 123.991,30.795 cw(c123.991,30.134) 124.652,30.134 cw(c123.991,30.134) 123.991,29.473 120.652,29.473 ccw(c120.652,29.041) 120.22,29.041 ccw(c120.652,29.041) 120.652,28.609 121.794,28.609 cw(c121.794,27.948) 122.454,27.948 122.454,26.836 122.454,26.335 J11_Slot4.F6@123.04,25.75
4_DIFF_7_P: J4.B4 J11_Slot4.E6 | length 202.1
  L2 w0.102: J4.B4@-4.48,69.75 -3.895,70.336 -3.895,70.566 -3.609,70.852 11.345,70.852 13.989,70.852 17.613,67.229 23.003,61.838 23.003,44.154 24.606,42.55 117.774,42.55 119.447,40.876 119.629,40.695 119.629,38.821 120.01,38.441 120.645,38.441 120.866,38.662 120.866,39.004 120.555,39.316 v1(120.555,39.355)
  L12 w0.102: v1(120.555,39.355) 120.555,39.316 120.866,39.004 120.866,38.713 120.866,38.5 121.216,38.15 124.519,38.15 124.735,37.934 124.735,37.502 124.519,37.286 119.628,37.286 119.278,36.936 119.278,36.314 119.628,35.964 124.519,35.964 124.735,35.748 124.735,35.316 124.519,35.1 119.628,35.1 119.278,34.75 119.278,34.128 119.628,33.778 124.519,33.778 124.735,33.562 124.735,33.13 124.519,32.914 121.216,32.914 120.866,32.564 120.866,32.17 120.866,31.119 120.866,30.942 120.934,30.874 120.937,30.871 ccw(c121.675,31.614) 120.94,30.869 ccw(c121.676,31.614) 121.676,30.566 123.991,30.566 cw(c123.991,30.134) 124.423,30.134 cw(c123.991,30.134) 123.991,29.702 120.652,29.702 ccw(c120.652,29.041) 119.991,29.041 ccw(c120.652,29.041) 120.652,28.38 121.794,28.38 cw(c121.794,27.948) 122.226,27.948 122.226,26.836 122.226,26.335 J11_Slot4.E6@121.64,25.75
4_DIFF_8_N: J4.F4 J11_Slot4.C6 | length 202.1
  L2 w0.102: J4.F4@1.12,69.75 0.534,69.164 0.534,69.064 0.728,68.871 9.24,68.871 13.703,68.871 21.966,60.608 21.966,43.666 24.194,41.438 91.734,41.438 92.889,41.438 cw(c92.889,40.777) 93.55,40.777 93.55,40.609 ccw(c93.982,40.609) 93.982,40.177 ccw(c93.982,40.609) 94.414,40.609 94.414,41.225 cw(c95.075,41.225) 95.075,41.886 cw(c95.075,41.225) 95.736,41.225 95.736,39.33 ccw(c96.168,39.33) 96.168,38.898 ccw(c96.168,39.33) 96.6,39.33 96.6,41.225 cw(c97.261,41.225) 97.261,41.886 cw(c97.261,41.225) 97.922,41.225 97.922,39.33 ccw(c98.354,39.33) 98.354,38.898 ccw(c98.354,39.33) 98.786,39.33 98.786,41.225 cw(c99.447,41.225) 99.447,41.886 cw(c99.447,41.225) 100.108,41.225 100.108,39.33 ccw(c100.54,39.33) 100.54,38.898 ccw(c100.54,39.33) 100.972,39.33 100.972,41.225 cw(c101.633,41.225) 101.633,41.886 cw(c101.633,41.225) 102.294,41.225 102.294,39.33 ccw(c102.726,39.33) 102.726,38.898 ccw(c102.726,39.33) 103.158,39.33 103.158,41.225 cw(c103.819,41.225) 103.819,41.886 cw(c103.819,41.225) 104.48,41.225 104.48,39.33 ccw(c104.912,39.33) 104.912,38.898 ccw(c104.912,39.33) 105.344,39.33 105.344,41.225 cw(c106.005,41.225) 106.005,41.886 cw(c106.005,41.225) 106.666,41.225 106.666,39.33 ccw(c107.098,39.33) 107.098,38.898 ccw(c107.098,39.33) 107.53,39.33 107.53,41.225 cw(c108.191,41.225) 108.191,41.886 cw(c108.191,41.225) 108.852,41.225 108.852,39.33 ccw(c109.284,39.33) 109.284,38.898 ccw(c109.284,39.33) 109.716,39.33 109.716,41.225 cw(c110.377,41.225) 110.377,41.886 cw(c110.377,41.225) 111.038,41.225 111.038,39.33 ccw(c111.47,39.33) 111.47,38.898 ccw(c111.47,39.33) 111.902,39.33 111.902,41.225 cw(c112.563,41.225) 112.563,41.886 cw(c112.563,41.225) 113.224,41.225 113.224,39.33 ccw(c113.656,39.33) 113.656,38.898 ccw(c113.656,39.33) 114.088,39.33 114.088,40.777 cw(c114.749,40.777) 114.749,41.438 114.914,41.438 116.547,41.438 118.254,39.73 118.254,39.332 118.566,39.02 v1(118.566,38.981)
  L12 w0.102: v1(118.566,38.981) 118.566,38.942 118.254,38.63 118.254,38.238 118.255,26.335 J11_Slot4.C6@118.84,25.75
4_DIFF_8_P: J4.E4 J11_Slot4.B6 | length 202.1
  L2 w0.102: J4.E4@-0.28,69.75 0.306,69.164 0.306,68.969 0.633,68.642 13.609,68.642 14.904,67.346 15.066,67.184 21.737,60.513 21.737,43.572 24.1,41.209 91.734,41.209 92.889,41.209 cw(c92.889,40.777) 93.321,40.777 93.321,40.609 ccw(c93.982,40.609) 93.982,39.948 ccw(c93.982,40.609) 94.643,40.609 94.643,41.225 cw(c95.075,41.225) 95.075,41.657 cw(c95.075,41.225) 95.507,41.225 95.507,39.33 ccw(c96.168,39.33) 96.168,38.669 ccw(c96.168,39.33) 96.829,39.33 96.829,41.225 cw(c97.261,41.225) 97.261,41.657 cw(c97.261,41.225) 97.693,41.225 97.693,39.33 ccw(c98.354,39.33) 98.354,38.669 ccw(c98.354,39.33) 99.015,39.33 99.015,41.225 cw(c99.447,41.225) 99.447,41.657 cw(c99.447,41.225) 99.879,41.225 99.879,39.33 ccw(c100.54,39.33) 100.54,38.669 ccw(c100.54,39.33) 101.201,39.33 101.201,41.225 cw(c101.633,41.225) 101.633,41.657 cw(c101.633,41.225) 102.065,41.225 102.065,39.33 ccw(c102.726,39.33) 102.726,38.669 ccw(c102.726,39.33) 103.387,39.33 103.387,41.225 cw(c103.819,41.225) 103.819,41.657 cw(c103.819,41.225) 104.251,41.225 104.251,39.33 ccw(c104.912,39.33) 104.912,38.669 ccw(c104.912,39.33) 105.573,39.33 105.573,41.225 cw(c106.005,41.225) 106.005,41.657 cw(c106.005,41.225) 106.437,41.225 106.437,39.33 ccw(c107.098,39.33) 107.098,38.669 ccw(c107.098,39.33) 107.759,39.33 107.759,41.225 cw(c108.191,41.225) 108.191,41.657 cw(c108.191,41.225) 108.623,41.225 108.623,39.33 ccw(c109.284,39.33) 109.284,38.669 ccw(c109.284,39.33) 109.945,39.33 109.945,41.225 cw(c110.377,41.225) 110.377,41.657 cw(c110.377,41.225) 110.809,41.225 110.809,39.33 ccw(c111.47,39.33) 111.47,38.669 ccw(c111.47,39.33) 112.131,39.33 112.131,41.225 cw(c112.563,41.225) 112.563,41.657 cw(c112.563,41.225) 112.995,41.225 112.995,39.33 ccw(c113.656,39.33) 113.656,38.669 ccw(c113.656,39.33) 114.317,39.33 114.317,40.777 cw(c114.749,40.777) 114.749,41.209 114.914,41.209 116.452,41.209 118.025,39.635 118.025,39.332 117.714,39.02 v1(117.714,38.981)
  L12 w0.102: J11_Slot4.B6@117.44,25.75 118.025,26.335 118.025,38.63 117.714,38.942 v1(117.714,38.981)
4_DIFF_9_N: J4.I4 J11_Slot4.L6 | length 202.9
  L12 w0.102: J11_Slot4.L6@131.44,25.75 130.855,26.335 130.855,27.222 129.39,28.686 129.39,32.81 135.072,38.492 135.072,55.528 135.868,56.324 135.868,73.55 135.868,73.957 cw(c136.046,73.957) 136.046,74.135 136.198,74.135 ccw(c136.198,74.313) 136.376,74.313 ccw(c136.198,74.313) 136.198,74.491 136.046,74.491 cw(c136.046,74.669) 135.868,74.669 135.868,74.917 135.868,75.534 136.494,76.16 137.134,76.16 137.446,75.848 v1(137.485,75.848)
  L6 w0.102: J4.I4@5.32,69.75 5.059,69.75 4.735,70.074 4.735,70.521 4.887,70.673 12.358,70.673 24.042,82.357 115.7,82.357 117.206,82.357 ccw(c117.206,83.018) 117.867,83.018 117.867,83.288 cw(c118.299,83.288) 118.299,83.72 cw(c118.299,83.288) 118.731,83.288 118.731,82.15 ccw(c119.392,82.15) 119.392,81.489 ccw(c119.392,82.15) 120.053,82.15 120.053,83.332 cw(c120.485,83.332) 120.485,83.764 cw(c120.485,83.332) 120.917,83.332 120.917,83.018 ccw(c121.578,83.018) 121.578,82.357 122.837,82.357 130.289,82.357 136.486,76.16 137.134,76.16 137.446,75.848 v1(137.485,75.848)
4_DIFF_9_P: J4.H4 J11_Slot4.K6 | length 203
  L12 w0.102: J11_Slot4.K6@130.04,25.75 130.625,26.335 130.625,27.127 129.161,28.591 129.161,32.905 134.843,38.586 134.843,55.623 135.639,56.419 135.639,75.629 136.399,76.389 137.134,76.389 137.446,76.7 v1(137.485,76.7)
  L6 w0.102: J4.H4@3.92,69.75 4.181,69.75 4.506,70.074 4.506,70.616 4.792,70.902 12.263,70.902 23.947,82.586 115.7,82.586 117.206,82.586 ccw(c117.206,83.018) 117.638,83.018 117.638,83.288 cw(c118.299,83.288) 118.299,83.949 cw(c118.299,83.288) 118.96,83.288 118.96,82.15 ccw(c119.392,82.15) 119.392,81.718 ccw(c119.392,82.15) 119.824,82.15 119.824,83.332 cw(c120.485,83.332) 120.485,83.993 cw(c120.485,83.332) 121.146,83.332 121.146,83.018 ccw(c121.578,83.018) 121.578,82.586 122.837,82.586 130.384,82.586 136.581,76.389 137.134,76.389 137.446,76.7 v1(137.485,76.7)
4_DIFF_10_N: J4.L4 J11_Slot4.I6 | length 202.9
  L12 w0.102: J11_Slot4.I6@127.24,25.75 126.654,26.335 126.654,35.434 127.312,36.092 127.429,36.209 ccw(c126.962,36.676) 127.463,37.107 127.463,37.11 127.43,37.143 ; 127.429,37.143 126.885,37.688 cw(c127.191,37.993) 126.885,38.299 cw(c127.191,37.993) 127.496,38.299 129.314,36.48 ccw(c129.782,36.948) 130.249,36.48 130.25,36.482 ccw(c129.782,36.948) 130.249,37.415 128.431,39.233 cw(c128.736,39.539) 128.431,39.844 cw(c128.736,39.539) 129.042,39.844 130.86,38.026 ccw(c131.327,38.493) 131.795,38.026 131.796,38.027 ccw(c131.327,38.493) 131.795,38.961 130.076,40.68 cw(c130.381,40.985) 130.076,41.291 cw(c130.381,40.985) 130.687,41.291 131.132,40.846 ccw(c131.599,41.313) 132.067,40.846 132.666,41.445 133.497,42.277 133.497,57.625 134.52,58.647 134.52,73.68 134.259,73.941 134.259,74.539 134.571,74.851 v1(134.571,74.89)
  L6 w0.102: J4.L4@9.52,69.75 8.934,69.164 8.934,68.921 9.036,68.819 13.558,68.819 25.065,80.326 130.868,80.326 134.259,76.934 134.259,75.241 134.571,74.929 v1(134.571,74.89)
4_DIFF_10_P: J4.K4 J11_Slot4.H6 | length 202.9
  L12 w0.102: J11_Slot4.H6@125.84,25.75 126.426,26.335 126.426,35.529 127.15,36.253 127.267,36.37 ccw(c126.962,36.676) 127.267,36.982 126.723,37.526 cw(c127.191,37.993) 126.723,38.46 126.725,38.462 cw(c127.191,37.993) 127.658,38.46 129.476,36.642 ccw(c129.782,36.948) 130.087,36.642 ccw(c129.782,36.948) 130.087,37.253 128.269,39.071 cw(c128.736,39.539) 128.269,40.006 128.27,40.007 cw(c128.736,39.539) 129.204,40.006 131.022,38.188 ccw(c131.327,38.493) 131.633,38.188 ccw(c131.327,38.493) 131.633,38.799 129.914,40.518 cw(c130.381,40.985) 129.914,41.453 129.915,41.454 cw(c130.381,40.985) 130.849,41.453 131.294,41.008 ccw(c131.599,41.313) 131.905,41.008 132.504,41.607 133.268,42.371 133.268,57.719 134.291,58.742 134.291,73.585 134.03,73.846 134.03,74.539 133.719,74.851 v1(133.719,74.89)
  L6 w0.102: J4.K4@8.12,69.75 8.705,69.164 8.705,68.826 8.941,68.59 13.653,68.59 25.16,80.097 130.773,80.097 132.72,78.15 132.882,77.988 134.03,76.84 134.03,75.241 133.719,74.929 v1(133.719,74.89)
4_DIFF_11_N: J6.C4 J16_Slot4.E1 | length 205.5
  L10 w0.102: J6.C4@-3.08,98.75 -3.665,98.165 -3.665,98.068 -3.447,97.849 9.616,97.849 10.623,97.849 ccw(c10.623,98.281) 11.055,98.281 cw(c11.716,98.282) 11.716,98.943 cw(c11.716,98.282) 12.377,98.282 12.377,97.245 ccw(c12.809,97.245) 12.809,96.813 ccw(c12.809,97.245) 13.241,97.245 13.241,98.337 cw(c13.902,98.337) 13.902,98.998 cw(c13.902,98.337) 14.563,98.337 14.563,98.281 ccw(c14.995,98.281) 14.995,97.849 16.22,97.849 16.254,97.883 18.226,99.856 102.214,99.856 102.834,99.856 103.184,99.506 103.184,93.106 103.4,92.89 103.832,92.89 104.048,93.106 104.048,99.712 104.398,100.062 105.02,100.062 105.37,99.712 105.37,93.106 105.586,92.89 106.018,92.89 106.234,93.106 106.234,99.712 106.584,100.062 107.206,100.062 107.556,99.712 107.556,93.106 107.772,92.89 108.204,92.89 108.42,93.106 108.42,99.712 108.77,100.062 109.392,100.062 109.742,99.712 109.742,93.106 109.958,92.89 110.39,92.89 110.606,93.106 110.606,99.712 110.956,100.062 111.578,100.062 111.928,99.712 111.928,93.106 112.144,92.89 112.576,92.89 112.792,93.106 112.792,99.506 113.142,99.856 113.355,99.856 113.758,99.856 114.769,98.845 114.769,94.549 115.418,93.899 120.819,93.899 121.154,93.564 121.154,93.336 J16_Slot4.E1@121.74,92.75
4_DIFF_11_P: J6.B4 J16_Slot4.D1 | length 205.5
  L10 w0.102: J6.B4@-4.48,98.75 -3.895,98.165 -3.895,97.974 -3.541,97.621 9.616,97.621 10.623,97.621 ccw(c10.623,98.281) 11.284,98.281 cw(c11.716,98.282) 11.716,98.714 cw(c11.716,98.282) 12.148,98.282 12.148,97.245 ccw(c12.809,97.245) 12.809,96.584 ccw(c12.809,97.245) 13.47,97.245 13.47,98.337 cw(c13.902,98.337) 13.902,98.769 cw(c13.902,98.337) 14.334,98.337 14.334,98.281 ccw(c14.995,98.281) 14.995,97.621 16.254,97.621 16.315,97.621 18.321,99.627 102.214,99.627 102.739,99.627 102.955,99.411 102.955,93.011 103.305,92.661 103.927,92.661 104.277,93.011 104.277,99.617 104.493,99.833 104.925,99.833 105.141,99.617 105.141,93.011 105.491,92.661 106.113,92.661 106.463,93.011 106.463,99.617 106.679,99.833 107.111,99.833 107.327,99.617 107.327,93.011 107.677,92.661 108.299,92.661 108.649,93.011 108.649,99.617 108.865,99.833 109.297,99.833 109.513,99.617 109.513,93.011 109.863,92.661 110.485,92.661 110.835,93.011 110.835,99.617 111.051,99.833 111.483,99.833 111.699,99.617 111.699,93.011 112.049,92.661 112.671,92.661 113.021,93.011 113.021,99.411 113.237,99.627 113.355,99.627 113.663,99.627 113.94,99.35 114.102,99.188 114.54,98.75 114.54,94.454 115.324,93.67 120.724,93.67 120.926,93.469 120.926,93.336 J16_Slot4.D1@120.34,92.75
4_DIFF_12_N: J6.F4 J16_Slot4.B1 | length 205.5
  L4 w0.102: J6.F4@1.12,98.75 0.534,98.165 0.534,98.029 0.677,97.887 16.356,97.887 18.337,99.868 41.862,99.868 42.028,99.868 ccw(c42.028,100.3) 42.46,100.3 42.46,100.491 cw(c43.121,100.491) 43.782,100.491 43.782,98.941 ccw(c44.214,98.941) 44.646,98.941 44.646,99.207 cw(c45.307,99.207) 45.307,99.868 46.241,99.868 101.972,99.868 103.278,99.868 103.628,99.518 103.628,92.323 103.844,92.107 104.276,92.107 104.492,92.323 104.492,99.838 104.842,100.188 105.464,100.188 105.814,99.838 105.814,92.323 106.03,92.107 106.462,92.107 106.678,92.323 106.678,99.838 107.028,100.188 107.65,100.188 108,99.838 108,92.323 108.216,92.107 108.648,92.107 108.864,92.323 108.864,99.838 109.214,100.188 109.836,100.188 110.186,99.838 110.186,92.323 110.402,92.107 110.834,92.107 111.05,92.323 111.05,99.838 111.4,100.188 112.022,100.188 112.372,99.838 112.372,92.323 112.588,92.107 113.02,92.107 113.236,92.323 113.236,99.518 113.586,99.868 114.413,99.868 114.432,99.868 115.1,99.2 115.1,94.268 115.545,93.823 116.628,93.823 116.955,93.496 116.955,93.336 J16_Slot4.B1@117.54,92.75
4_DIFF_12_P: J6.E4 J16_Slot4.A1 | length 205.5
  L4 w0.102: J6.E4@-0.28,98.75 0.306,98.165 0.306,97.935 0.582,97.658 16.45,97.658 18.432,99.639 41.862,99.639 42.028,99.639 ccw(c42.028,100.3) 42.689,100.3 42.689,100.491 cw(c43.121,100.491) 43.553,100.491 43.553,98.941 ccw(c44.214,98.941) 44.875,98.941 44.875,99.207 cw(c45.307,99.207) 45.307,99.639 46.241,99.639 101.972,99.639 103.183,99.639 103.399,99.423 103.399,92.228 103.749,91.878 104.371,91.878 104.721,92.228 104.721,99.743 104.937,99.959 105.369,99.959 105.585,99.743 105.585,92.228 105.935,91.878 106.557,91.878 106.907,92.228 106.907,99.743 107.123,99.959 107.555,99.959 107.771,99.743 107.771,92.228 108.121,91.878 108.743,91.878 109.093,92.228 109.093,99.743 109.309,99.959 109.741,99.959 109.957,99.743 109.957,92.228 110.307,91.878 110.929,91.878 111.279,92.228 111.279,99.743 111.495,99.959 111.927,99.959 112.143,99.743 112.143,92.228 112.493,91.878 113.115,91.878 113.465,92.228 113.465,99.423 113.681,99.639 114.337,99.639 114.413,99.563 114.498,99.478 114.871,99.105 114.871,94.173 115.45,93.594 116.533,93.594 116.725,93.402 116.725,93.336 J16_Slot4.A1@116.14,92.75
4_DIFF_13_N: J6.I4 J16_Slot4.K1 | length 205.6
  L12 w0.102: J6.I4@5.32,98.75 4.734,99.336 4.734,99.429 4.893,99.588 108.44,99.588 114.636,99.588 114.847,99.378 114.847,97.525 114.571,97.25 102.373,97.25 101.953,96.829 101.953,95.007 102.309,94.65 114.24,94.65 114.54,94.35 114.54,93.244 114.246,92.95 102.816,92.95 102.111,92.245 102.111,90.655 102.845,89.921 103.604,89.921 103.817,89.921 104.168,90.271 104.168,90.795 104.384,91.011 104.816,91.011 105.032,90.795 105.032,89.92 105.382,89.57 106.003,89.57 106.354,89.92 106.354,90.795 106.57,91.011 107.002,91.011 107.218,90.795 107.218,89.92 107.568,89.57 108.189,89.57 108.54,89.92 108.54,90.795 108.756,91.011 109.188,91.011 109.404,90.795 109.404,89.92 109.754,89.57 110.375,89.57 110.726,89.92 110.726,90.795 110.942,91.011 111.374,91.011 111.59,90.795 111.59,89.92 111.94,89.57 112.561,89.57 112.912,89.92 112.912,90.795 113.127,91.011 113.56,91.011 113.776,90.795 113.776,89.92 114.126,89.57 114.747,89.57 115.097,89.92 115.097,90.795 115.313,91.011 115.745,91.011 115.961,90.795 115.961,89.92 116.312,89.57 116.933,89.57 117.283,89.92 117.283,90.795 117.499,91.011 117.931,91.011 118.147,90.795 118.147,89.92 118.498,89.57 119.119,89.57 119.469,89.92 119.469,90.795 119.685,91.011 120.117,91.011 120.333,90.795 120.333,89.92 120.684,89.57 121.305,89.57 121.655,89.92 121.655,90.795 121.871,91.011 122.303,91.011 122.519,90.795 122.519,90.271 122.87,89.921 124.307,89.921 127.941,89.921 128.075,90.055 128.326,90.306 129.554,91.534 129.555,92.165 J16_Slot4.K1@130.14,92.75
4_DIFF_13_P: J6.H4 J16_Slot4.J1 | length 205.6
  L12 w0.102: J6.H4@3.92,98.75 4.506,99.336 4.506,99.524 4.799,99.817 114.731,99.817 115.076,99.473 115.076,97.431 114.666,97.021 102.468,97.021 102.182,96.735 102.182,95.102 102.404,94.879 114.335,94.879 114.769,94.445 114.769,93.15 114.34,92.721 102.911,92.721 102.34,92.15 102.34,90.75 102.607,90.483 102.94,90.15 103.604,90.15 103.723,90.15 103.939,90.366 103.939,90.89 104.289,91.24 104.91,91.24 105.261,90.89 105.261,90.015 105.477,89.799 105.909,89.799 106.125,90.015 106.125,90.89 106.475,91.24 107.096,91.24 107.447,90.89 107.447,90.015 107.663,89.799 108.095,89.799 108.311,90.015 108.311,90.89 108.661,91.24 109.282,91.24 109.633,90.89 109.633,90.015 109.849,89.799 110.281,89.799 110.497,90.015 110.497,90.89 110.847,91.24 111.468,91.24 111.819,90.89 111.819,90.015 112.035,89.799 112.467,89.799 112.683,90.015 112.683,90.89 113.033,91.24 113.654,91.24 114.004,90.89 114.004,90.015 114.22,89.799 114.652,89.799 114.868,90.015 114.868,90.89 115.219,91.24 115.84,91.24 116.19,90.89 116.19,90.015 116.406,89.799 116.838,89.799 117.054,90.015 117.054,90.89 117.405,91.24 118.026,91.24 118.376,90.89 118.376,90.015 118.592,89.799 119.024,89.799 119.24,90.015 119.24,90.89 119.591,91.24 120.212,91.24 120.562,90.89 120.562,90.015 120.778,89.799 121.21,89.799 121.426,90.015 121.426,90.89 121.777,91.24 122.398,91.24 122.748,90.89 122.748,90.366 122.964,90.15 124.307,90.15 127.846,90.15 128.231,90.535 129.325,91.629 129.325,92.164 J16_Slot4.J1@128.74,92.75